# Allegro board ZDRK-36-DE3-A02-20190729.brd (continued)
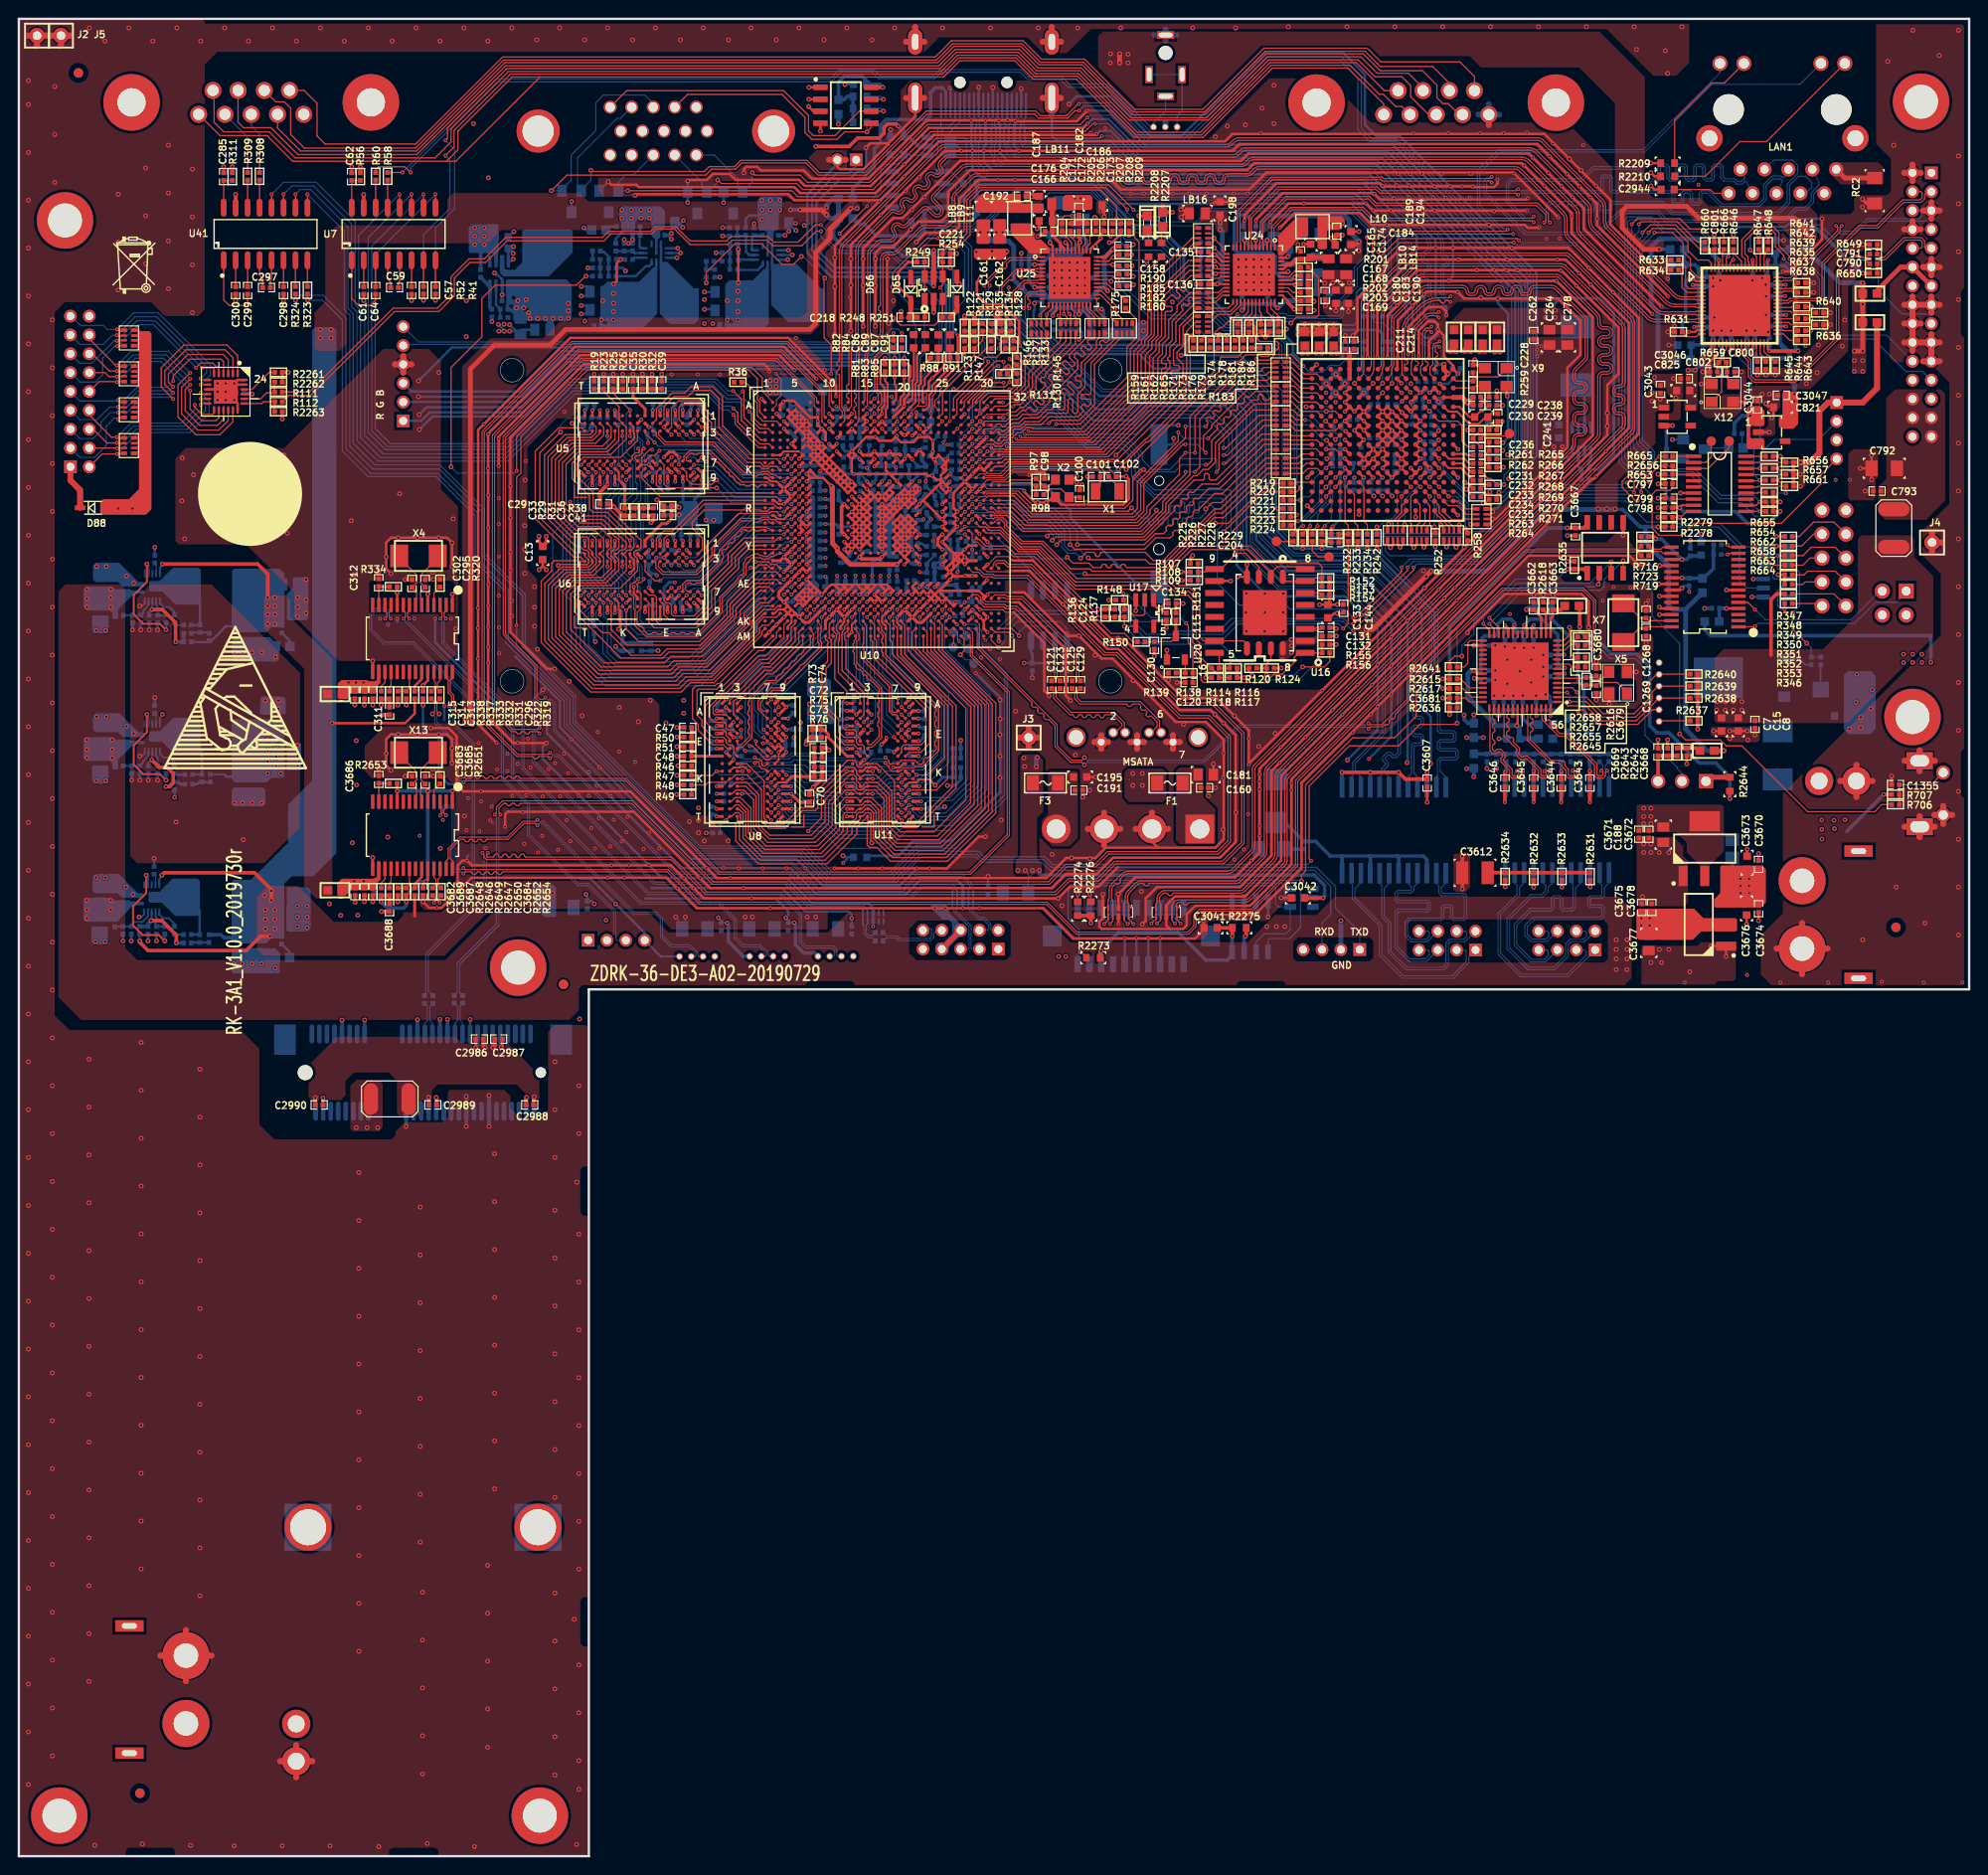
[diagram p0: board, top side]
## Nets (continued)
DDR1_DQS3_N: U10.AK14(DDR1_DQS3_N) U11.B7(U\D\Q\S\)
DDR1_DQS3_P: U10.AL14(DDR1_DQS3_P) U11.C7(UDQS)
DDR1_ODT: R46.2(B) R47.1(A) U8.K1(ODT) U10.AH25(DDR1_ODT) U11.K1(ODT)
DDR1_RAS_N: U8.J3(R\A\S\) U10.AK19(DDR1_RAS_N) U11.J3(R\A\S\)
DDR1_RESET_N: C473.1(A) R407.2(B) U8.T2(R\E\S\E\T\) U10.AJ25(DDR1_RESET_N) U11.T2(R\E\S\E\T\)
DDR1_WE_N: U8.L3(W\E\) U10.AG19(DDR1_WE_N) U11.L3(W\E\)
DDR1_ZQ: R395.1(A) U10.AF20(DDR1_ZQ)
DDR_VREF_CA_0: C33.1(A) C36.2(B) R29.1(A) R31.2(B) U5.M8(VREFCA)
DDR_VREF_CA_1: C498.2(B) C501.1(A) R409.2(B) R411.1(A) U6.M8(VREFCA)
DDR_VREF_CA_2: C72.2(B) C73.1(A) R75.2(B) R76.1(A) U8.M8(VREFCA)
DDR_VREF_CA_3: C352.2(B) C353.1(A) R384.2(B) R385.1(A) U11.M8(VREFCA)
DDR_VREF_DQ_0: C35.1(A) C39.2(B) R30.1(A) R32.2(B) U5.H1(VREFDQ)
DDR_VREF_DQ_1: C41.1(A) C491.2(B) R38.1(A) R408.2(B) U6.H1(VREFDQ)
DDR_VREF_DQ_2: C47.2(B) C48.1(A) R50.2(B) R51.1(A) U8.H1(VREFDQ)
DDR_VREF_DQ_3: C74.1(A) C440.2(B) R73.1(A) R403.2(B) U11.H1(VREFDQ)
EDP_BL_DIM: JE1.23(P23) U66.54(AUDCLK_BLDIM_GPIO2)
EDP_BL_EN: JE1.22(P22) U66.55(WS_BLEN_GPIO3)
EDP_D0+: JE1.7(P7) U66.48(B11_RX1P)
EDP_D0-: JE1.6(P6) U66.47(B10_RX1N)
EDP_D1+: JE1.4(P4) U66.42(A11_RX2P)
EDP_D1-: JE1.3(P3) U66.41(A10_RX2N)
EECLK: U1.26(EECLK) U1494.2(SK)
EECS: R2641.1 U1.29(EECS)
EECS_J: R2635.2 R2641.2 U1494.1(CS)
EEDI: U1.27(EEDI) U1494.4(DO)
EEDO: U1.28(EEDO) U1494.3(DI)
EPHY0_CLK: R161.1(A) R201.1(A)
EPHY0_RSTN: R173.1(A) R174.2(B)
EPHY1_CLK: R204.1(A) R207.1(A)
EPHY1_RSTN: R175.2(B) U10.F27(GPIO6_5/EPHY1_RSTN)
GE0_1V05_PHY: C184.1(A) C189.1(A) L10.2(B) LB6.1 LB7.1
GE0_1V05A_PHY: C142.1(A) C151.1(A) C157.1(A) C168.1(A) LB7.2 U24.3(AVDD10_1) U24.9(AVDD10_2) U24.40(AVDD10_3)
GE0_1V05D_PHY: C139.1(A) C155.1(A) C156.1(A) LB6.2 U24.28(DVDD10_1) U24.36(DVDD10_2)
GE0_3V3A_PHY: C146.1(A) C167.1(A) C194.1(A) LB14.2 U24.6(AVDD33_1) U24.41(AVDD33_2)
GE0_3V3D_PHY: C135.1(A) C136.1(A) C198.1(A) LB16.2 U24.15(DVDD33_1) U24.21(DVDD33_2)
GE0_AN0: R378.1(A) RN22.7 U24.17(RXD2/AN0)
GE0_AN1: R379.1(A) RN22.6 U24.18(RXD3/AN1)
GE0_ENSWREG: R203.2(B) U24.38(ENSWREG)
GE0_LED0_ACTIVE/PHY_AD0: J115.13(LED-_Y) R184.2(B) U24.34(LED0/PHY_AD0)
GE0_LED1_LINK/PHY_AD1: J115.11(LED+_G) R186.1(A) U24.35(LED1/PHY_AD1)
GE0_MDI0_N: J115.3(DA-) U24.2(MDIN0)
GE0_MDI0_P: J115.2(DA+) U24.1(MDIP0)
GE0_MDI1_N: J115.7(DB-) U24.5(MDIN1)
GE0_MDI1_P: J115.4(DB+) U24.4(MDIP1)
GE0_MDI2_N: J115.6(DC-) U24.8(MDIN2)
GE0_MDI2_P: J115.5(DC+) U24.7(MDIP2)
GE0_MDI3_N: J115.9(D3-) U24.11(MDIN3)
GE0_MDI3_P: J115.8(D3+) U24.10(MDIP3)
GE0_PHY_AD2: R375.1(A) RN21.6 U24.13(RXCTL/PHY_AD2)
GE0_RXDLY: R181.1(A) U24.32(LED2/RXDLY)
GE0_SELRGV: R376.1(A) RN21.5 U24.14(RXD0/SELRGV)
GE0_TXDLY: R377.1(A) RN22.8 U24.16(RXD1/TXDLY)
GE0_VDDREG: C165.1(A) C174.1(A) LB10.2 U24.44(VDDREG1) U24.45(VDDREG2)
GE1_1V05_PHY: C187.1(A) C192.1(A) L11.2(B) LB8.1 LB9.1
GE1_1V05A_PHY: C143.1(A) C152.1(A) C162.1(A) C172.1(A) LB9.2 U25.3(AVDD10_1) U25.9(AVDD10_2) U25.40(AVDD10_3)
GE1_1V05D_PHY: C140.1(A) C158.1(A) C161.1(A) LB8.2 U25.28(DVDD10_1) U25.36(DVDD10_2)
GE1_3V3A_PHY: C148.1(A) C171.1(A) C196.1(A) LB15.2 U25.6(AVDD33_1) U25.41(AVDD33_2)
GE1_3V3D_PHY: C137.1(A) C199.1(A) LB17.2 U25.15(DVDD33_1) U25.21(DVDD33_2)
GE1_AN0: R373.1(A) RN20.7 U25.17(RXD2/AN0)
GE1_AN1: R374.1(A) RN20.6 U25.18(RXD3/AN1)
GE1_ENSWREG: R206.2(B) U25.38(ENSWREG)
GE1_LED0_ACTIVE/PHY_AD0: R185.1(A) R2207.1 U25.34(LED0/PHY_AD0)
GE1_LED1_LINK/PHY_AD1: R190.2(B) R2208.1 U25.35(LED1/PHY_AD1)
GE1_MDI0_N: T3.3(P3) U25.2(MDIN0)
GE1_MDI0_P: T3.2(P2) U25.1(MDIP0)
GE1_MDI1_N: T3.6(P6) U25.5(MDIN1)
GE1_MDI1_P: T3.5(P5) U25.4(MDIP1)
GE1_MDI2_N: T3.9(P9) U25.8(MDIN2)
GE1_MDI2_P: T3.8(P8) U25.7(MDIP2)
GE1_MDI3_N: T3.12(P12) U25.11(MDIN3)
GE1_MDI3_P: T3.11(P11) U25.10(MDIP3)
GE1_PHY_AD2: R370.1(A) RN79.6 U25.13(RXCTL/PHY_AD2)
GE1_RXDLY: R182.1(A) U25.32(LED2/RXDLY)
GE1_SELRGV: R371.1(A) RN79.5 U25.14(RXD0/SELRGV)
GE1_TXDLY: R372.1(A) RN20.8 U25.16(RXD1/TXDLY)
GE1_VDDREG: C166.1(A) C176.1(A) LB11.2 U25.44(VDDREG1) U25.45(VDDREG2)
GPIO0_1: R706.2 U10.C1(VOU_SLV_DATA11/GPIO0_1)
GPIO0_2: U10.D2(VOU_SLV_DATA6/GPIO0_2)
GPIO0_3: U10.E3(VOU_SLV_DATA13/GPIO0_3)
GPIO8_4: TP9.1 U10.J28(GPIO8_4/MII0_CRS)
GPIO11_0: U10.C25(GPIO11_0/VOU1120_DATA16)
GPIO13_4: R660.1 U10.A28(GPIO13_4/VOU1120_DATA12)
GPIO13_5: R111.1 U10.A27(GPIO13_5/VOU1120_DATA13)
GPIO13_6: R112.1 U10.B27(GPIO13_6/VOU1120_DATA14)
GPIO13_7: R2656.1 U10.B26(GPIO13_7/VOU1120_DATA15)
HDMI_5V_DET: C218.1 D66.1(K) R248.2 R249.2 R2278.2 R2279.1 U1492.10(PA3)
HDMI_7842_5V: C2378.2 C3041.2 J49.18(P18) J130.14(7) J130.16(8) J130.18(9) LB143.1 LB144.1 R236.1 R241.1 R1119.1 R1120.1 R1121.1 R2211.2 R2273.1 R2274.1 R2275.1 R2276.1 U58.8(VDD) U107.8(VDD)
HDMI_7842_HPD: J49.19(P19) J130.20(10) R235.1 R2211.1 R2273.2 R2277.1 U75.4(IO_3)
HDMI_7842_TX0+: J49.7(P7) U32.B13(RXA_0+) U62.1(LINEIN1) U62.8(LINEOUT4)
HDMI_7842_TX0-: J49.9(P9) U32.A13(RXA_0-) U62.2(LINEIN2) U62.7(LINEOUT3)
HDMI_7842_TX1+: J49.4(P4) U32.B12(RXA_1+) U63.3(LINEIN3) U63.6(LINEOUT2)
HDMI_7842_TX1-: J49.6(P6) U32.A12(RXA_1-) U63.4(LINEIN4) U63.5(LINEOUT1)
HDMI_7842_TX2+: J49.1(P1) U32.B11(RXA_2+) U63.1(LINEIN1) U63.8(LINEOUT4)
HDMI_7842_TX2-: J49.3(P3) U32.A11(RXA_2-) U63.2(LINEIN2) U63.7(LINEOUT3)
HDMI_7842_TXC+: J49.10(P10) U32.B14(RXA_C+) U62.3(LINEIN3) U62.6(LINEOUT2)
HDMI_7842_TXC-: J49.12(P12) U32.A14(RXA_C-) U62.4(LINEIN4) U62.5(LINEOUT1)
HDMI_B_TX0+: J130.11(16) U32.B8(RXB_0+) U110.2(LINEIN2) U110.7(LINEOUT3)
HDMI_B_TX0-: J130.9(15) U32.A8(RXB_0-) U110.1(LINEIN1) U110.8(LINEOUT4)
HDMI_B_TX1+: J130.7(14) U32.B7(RXB_1+) U109.4(LINEIN4) U109.5(LINEOUT1)
HDMI_B_TX1-: J130.5(13) U32.A7(RXB_1-) U109.3(LINEIN3) U109.6(LINEOUT2)
HDMI_B_TX2+: J130.3(12) U32.B6(RXB_2+) U109.2(LINEIN2) U109.7(LINEOUT3)
HDMI_B_TX2-: J130.1(11) U32.A6(RXB_2-) U109.1(LINEIN1) U109.8(LINEOUT4)
HDMI_B_TXC+: J130.15(18) U32.B9(RXB_C+) U110.4(LINEIN4) U110.5(LINEOUT1)
HDMI_B_TXC-: J130.13(17) U32.A9(RXB_C-) U110.3(LINEIN3) U110.6(LINEOUT2)
HDMI_TX0N: U10.D13(HDMI_TX0N) U66.11(M1P_H0P)
HDMI_TX0P: U10.C13(HDMI_TX0P) U66.10(M1N_H0N)
HDMI_TX1N: U10.B12(HDMI_TX1N) U66.9(MCP_H1P)
HDMI_TX1P: U10.A12(HDMI_TX1P) U66.8(MCN_H1N)
HDMI_TX2N: U10.D11(HDMI_TX2N) U66.7(M2P_H2P)
HDMI_TX2P: U10.C11(HDMI_TX2P) U66.6(M2N_H2N)
HDMI_TXCN: U10.B14(HDMI_TXCN) U66.13(M0P_HCP)
HDMI_TXCP: U10.A14(HDMI_TXCP) U66.12(M0N_HCN)
HDMITX_CEC: R251.2 U10.D15(HDMITX_CEC/GPIO6_1) U33.3(IO_2)
HDMITX_HOTPLUG: C221.1 Q20.1(GATE) R254.1 R665.1 R666.1 R2562.2 U10.A15(HDMITX_HOTPLUG/GPIO6_0) U33.4(IO_3)
HDMITX_REXT: R398.2(B) R399.2(B) U10.E14(HDMITX_REXT)
HDMITX_SCL: R248.1 U10.C15(HDMITX_SCL/GPIO6_3) U33.1(IO_1) U66.59(SD2_DSCL)
HDMITX_SDA: R249.1 U10.B15(HDMITX_SDA/GPIO6_2) U33.6(IO_4) U66.60(SD1_DSDA)
HOT_PLUG_HDMI_B: U108.4(IO_3)
I2C_SCL: R130.2(B) R220.1 R221.1 U10.A29(GPIO5_7/I2C_SCL)
I2C_SDA: R131.2(B) R223.1 R224.1 U10.B28(GPIO5_6/I2C_SDA)
I2S0_SD_RX/I2S2_MCLK: RN75.5 U10.D28(GPIO12_0/VOU1120_DATA0)
IO1: J127.3(2) RN80.4 U103.1(IO0_0)
IO2: J127.5(3) RN80.3 U103.2(IO0_1)
IO3: J127.7(4) RN80.2 U103.3(IO0_2)
IO4: J127.9(5) RN80.1 U103.4(IO0_3)
IO5: J127.11(6) RN81.4 U103.5(IO0_4)
IO6: J127.13(7) RN81.3 U103.6(IO0_5)
IO7: J127.15(8) RN81.2 U103.7(IO0_6)
IO8: J127.17(9) RN81.1 U103.8(IO0_7)
IO9: J127.2(10) RN82.4 U103.10(IO1_0)
IO10: J127.4(11) RN82.3 U103.11(IO1_1)
IO11: J127.6(12) RN82.2 U103.12(IO1_2)
IO12: J127.8(13) RN82.1 U103.13(IO1_3)
IO13: J127.10(14) RN83.4 U103.14(IO1_4)
IO14: J127.12(15) RN83.3 U103.15(IO1_5)
IO15: J127.14(16) RN83.2 U103.16(IO1_6)
IO16: J127.16(17) RN83.1 U103.17(IO1_7)
IR_IN: U10.AJ27(GPIO14_7/IR_IN)
JTAG_EN: R391.1(A) R392.2(B) U10.AK25(JTAG_EN)
JTAG_SEL: R390.2(B) U10.AJ26(JTAG_SEL)
JTAG_TCK: TP63.1(TP) U10.AL26(JTAG_TCK/GPIO14_1)
JTAG_TDI: TP66.1(TP) U10.AL27(JTAG_TDI/GPIO14_4)
JTAG_TDO: TP65.1(TP) U10.AL25(JTAG_TDO/GPIO14_3)
JTAG_TMS: TP64.1(TP) U10.AM26(JTAG_TMS/GPIO14_2)
JTAG_TRSTN: TP62.1(TP) U10.AM27(JTAG_TRSTN/GPIO14_0)
KEY_FACTORY: R36.2(B)
KEY_POWER: R27.2 R28.2 R349.2
KEY_RESET: R148.1(A) R350.2 U45.3(IO_2)
LED_SATA: R346.2 U45.1(IO_1) U46.4(Y)
LSADC_IN: TP8.1 U10.AJ28(LSADC_IN/GPIO11_4)
LT9721_IRQO: R662.2 U66.23(IRQO_GPIO0) U1492.16(PC6)
LT9721_RST_N: C801.1 R660.2 R661.2 U66.63(RST_N) U1492.15(PC5)
LT9721_RXHPD: R666.2 U66.61(SD0_RXHPD_GPIO7)
LT9721_S_SCL: R663.2 U66.1(S_SCL) U1492.12(PB4/I2C_SCL)
LT9721_S_SDA: R664.2 U66.64(S_SDA) U1492.11(PB5/I2C_SDA)
LT9721_TXHPD: JE1.17(P17) U66.52(TXHPD_GPIO1)
LT9721_VCC18_RX: C811.1 C812.1 C813.1 C814.1 C815.1 C3045.1 LB130.2 U66.3(VCC18_RX#3) U66.14(VCC18_RX#14) U66.17(VCC18_RX#17)
LT9721_VCC18_TX: C816.1 C817.1 C818.1 C819.1 C820.1 C821.1 C822.1 C3047.1 U66.28(VCC18_TX#28) U66.35(VCC18_TX#35) U66.38(VCC18_TX#38) U66.43(VCC18_TX#43) U66.46(VCC18_TX#46) U1490.5(VOUT)
LT9721_VCC33_RX: C803.1 C804.1 C805.1 C806.1 LB128.2 U66.2(VCC33_RX#2) U66.15(VCC33_RX#15)
LT9721_VCC33_TX: C807.1 C808.1 C809.1 C810.1 LB127.2 R650.2 U66.32(VCC33_TX#32) U66.49(VCC33_TX#49)
LT9721_VDD18: C823.1 C824.1 C825.1 C826.1 C827.1 C3046.1 LB130.1 U66.22(VDD#22) U66.53(VDD#53) U66.62(VDD#62) U1489.5(VOUT)
MCU_NRST: C797.1 J116.4 R653.2 R2656.2 U1492.4(NRST)
MCU_RXHPD: R665.2 U1492.1(PD4)
MDCK: R176.1 U24.30(MDC) U25.30(MDC)
MDIO: R178.2(B) R180.2(B) U10.K27(GPIO11_7/MDIO) U24.31(MDIO) U25.31(MDIO)
MSATA_RXDN: C106.1 U13.31(PETN0)
MSATA_RXDP: C105.1 U13.33(PETP0)
MSATA_TXDN: C103.1 U13.25(PERP0)
MSATA_TXDP: C104.1 U13.23(PERN0)
MX1+: J131.1 T3.23(P23)
MX1-: J131.3(2) T3.22(P22)
MX2+: J131.2(8) T3.20(P20)
MX2-: J131.4(7) T3.19(P19)
MX3+: J131.5(3) T3.17(P17)
MX3-: J131.7(4) T3.16(P16)
MX4+: J131.6 T3.14(P14)
MX4-: J131.8(5) T3.13(P13)
NRESET/PME_CLEAR: C3681.2 R2636.1 U1.42(NRESET/PME_CLEAR)
NTRST: J6.1 R2637.1
PCIE_REFCLK_SEL: R121.2(B) R122.1(A) R123.1(A) U10.D24(GPIO13_3/VOU1120_DATA11)
POR_BYPASS: R382.2(B) R383.1(A) U10.W28(POR_BYPASS)
POR_IP_SEL: R110.2(B) R113.2(B) U10.U27(POR_IP_SEL)
PWM_SVB0_CPU: R55.2(B) U10.A2(PWM_SVB0/GPIO1_2)
PWM_SVB1_CORE: R78.2(B) U10.B2(PWM_SVB1/GPIO1_3)
RECOVERY: C1355.1 R706.1 R707.2 SW1.2
RESET_7842_1: C204.1 R229.2 R232.2 U32.N5(R\E\S\E\T\)
RGMII0_COL: TP7.1 U10.H29(GPIO8_5/MII0_COL)
RGMII0_RXCK: RN22.4 U10.G30(GPIO8_1/RGMII0_RXCK/MII0_RXCK)
RGMII0_RXD0: RN21.4 U10.G27(GPIO9_0/RGMII0_RXD0/MII0_RXD0)
RGMII0_RXD1: RN22.1 U10.G28(GPIO9_1/RGMII0_RXD1/MII0_RXD1)
RGMII0_RXD2: RN22.2 U10.H27(GPIO9_2/RGMII0_RXD2/MII0_RXD2)
RGMII0_RXD3: RN22.3 U10.H28(GPIO9_3/RGMII0_RXD3/MII0_RXD3)
RGMII0_RXDV: RN21.3 U10.F29(GPIO8_0/RGMII0_RXDV/MII0_RXDV)
RGMII0_RXER: TP5.1 U10.H30(GPIO8_6/MII0_RXER)
RGMII0_TXCKOUT: RN13.1 U10.J29(GPIO8_3/RGMII0_TXCKOUT/MII0_TXC)
RGMII0_TXD0: RN13.2 U10.G31(GPIO9_4/RGMII0_TXD0/MII0_TXD0)
RGMII0_TXD1: RN13.3 U10.H31(GPIO9_5/RGMII0_TXD1/MII0_TXD1)
RGMII0_TXD2: RN13.4 U10.H32(GPIO9_6/RGMII0_TXD2/MII0_TXD2)
RGMII0_TXD3: RN14.1 U10.J30(GPIO9_7/RGMII0_TXD3/MII0_TXD3)
RGMII0_TXEN: RN14.2 U10.K28(GPIO8_2/RGMII0_TXEN/MII0_TXEN)
RGMII1_COL: TP4.1 U10.D29(GPIO2_5/MII1_COL)
RGMII1_CRS: TP3.1 U10.C32(GPIO2_4/MII1_CRS)
RGMII1_RXCK: RN20.4 U10.B32(GPIO2_1/RGMII1_RXCK/MII1_RXCK)
RGMII1_RXD0: RN79.4 U10.A30(GPIO3_0/RGMII1_RXD0/MII1_RXD0)
RGMII1_RXD1: RN20.1 U10.A31(GPIO3_1/RGMII1_RXD1/MII1_RXD1)
RGMII1_RXD2: RN20.2 U10.B31(GPIO3_2/RGMII1_RXD2/MII1_RXD2)
RGMII1_RXD3: RN20.3 U10.C30(GPIO3_3/RGMII1_RXD3/MII1_RXD3)
RGMII1_RXDV: RN79.3 U10.B29(GPIO2_0/RGMII1_RXDV/MII1_RXDV)
RGMII1_RXER: TP2.1 U10.C29(GPIO2_6/MII1_RXER)
RGMII1_TXCKOUT: RN17.1 U10.D30(GPIO2_3/RGMII1_TXCKOUT/MII1_TXC)
RGMII1_TXD0: RN17.2 U10.E30(GPIO3_4/RGMII1_TXD0/MII1_TXD0)
RGMII1_TXD1: RN17.3 U10.E31(GPIO3_5/RGMII1_TXD1/MII1_TXD1)
RGMII1_TXD2: RN17.4 U10.E32(GPIO3_6/RGMII1_TXD2/MII1_TXD2)
RGMII1_TXD3: RN18.1 U10.F32(GPIO3_7/RGMII1_TXD3/MII1_TXD3)
RGMII1_TXEN: RN18.2 U10.E28(GPIO2_2/RGMII1_TXEN/MII1_TXEN)
RS232_RXA: J111.2 J123.3 R58.2
RS232_RXB: J22.3 R41.2
RS232_RXC: J23.3 R308.2
RS232_RXD: JU5.3 R323.2
RS232_TXA: J111.1 J111.3 J123.1 R60.2
RS232_TXB: J22.2 R52.2
RS232_TXC: J23.2 R309.2
RS232_TXD: JU5.1 R324.2
RTC_XIN: C102.2(B) U10.L29(RTC_XIN) X1.1
RTC_XOUT: C101.2(B) U10.L30(RTC_XOUT) X1.2
SATA_PCIE_MODE0: R388.1(A) R389.2(B) U10.E29(GPIO2_7/MII1_TXER)
SATA_PCIE_MODE1: R207.2(B) R208.1(A) R209.2(B) U10.F31(GPIO11_5/EPHY1_CLK)
SATA_RXM0: C125.2 U10.AG32(SATA_RXM0)
SATA_RXM1: U10.AE32(SATA_RXM1)
SATA_RXM2: C103.2 U10.AC32(SATA_RXM2/PCIEX2_RXM1)
SATA_RXP0: C129.2 U10.AG31(SATA_RXP0)
SATA_RXP1: U10.AE31(SATA_RXP1)
SATA_RXP2: C104.2 U10.AC31(SATA_RXP2/PCIEX2_RXP1)
SATA_TXM0: C123.2 U10.AG28(SATA_TXM0)
SATA_TXM1: U10.AE28(SATA_TXM1)
SATA_TXM2: C106.2 U10.AC28(SATA_TXM2/PCIEX2_TXM1)
SATA_TXP0: C121.2 U10.AG29(SATA_TXP0)
SATA_TXP1: U10.AE29(SATA_TXP1)
SATA_TXP2: C105.2 U10.AC29(SATA_TXP2/PCIEX2_TXP1)
SFC_BOOT_MODE: R114.1(A) R117.2(B) R118.1(A) U10.U29(SFC_BOOT_MODE/SFC_CLK)
SFC_CLK: R114.2(B) R116.2(B) U16.16(SCLK) U18.6(SCK)
SFC_CS0N: U10.U32(GPIO15_4/SFC_CS0N)
SFC_CS1N: R152.2(B) R153.2(B) U10.T30(GPIO15_5/SFC_CS1N) U16.7(C\S\) U18.1(CS)
SFC_DIO: U10.U30(GPIO15_0/SFC_DIO) U16.15(SI/SIO0) U18.5(SI)
SFC_DOI: U10.V27(GPIO15_1/SFC_DOI) U16.8(SO/SIO1) U18.2(SO)
SFC_HOLD_IO3: R155.2(B) R156.2(B) U10.V30(GPIO15_3/SFC_HOLD_IO3) U16.1(HOLD~/SIO3)
SFC_WP_IO2: R107.1(A) R108.1(A) R109.2(B) U10.U31(GPIO15_2/SFC_WP_IO2) U16.9(WP~/SIO2) U18.3(W\P\)
SN_BOOT_PIN0: R129.2(B) R135.2(B) R147.1(A) U10.B24(GPIO12_2/VOU1120_DATA2)
SN_BOOT_PIN1: R127.2(B) R133.2(B) R145.1(A) U10.D25(GPIO13_0/VOU1120_DATA8)
SN_BOOT_PIN2: R128.2(B) R134.2(B) R146.1(A) U10.C24(GPIO12_3/VOU1120_DATA3)
SW_MODE: R2645.1 U1.9(SW_MODE)
SW_MODE_R: R2645.2 R2655.2
SWIM: J116.2 R654.2 U1492.18(PD1/SWIM)
SYS_RSTN: C124.1(A) C131.1(A) R120.2(B) R136.1(A) R137.2(B) U10.W29(RSTN) U16.3(R\E\S\E\T\) U17.4(Y)
TCK: J6.5 R2640.1 U1.2(TCK)
TDI: J6.3 R2638.1 U1.1(TDI)
TDO: J6.2 U1.4(TDO)
TEST: R2615.2 U1.39(TEST)
TMS: J6.4 R2639.1 U1.3(TMS)
TR0N: R2620.1 T1.3(P3) U1.43(TR0N)
TR0P: R2619.1 T1.2(P2) U1.44(TR0P)
TR1N: R2622.1 T1.6(P6) U1.46(TR1N)
TR1P: R2621.1 T1.5(P5) U1.47(TR1P)
TR2N: R2624.1 T1.9(P9) U1.51(TR2N)
TR2P: R2623.1 T1.8(P8) U1.52(TR2P)
TR3N: R2626.1 T1.12(P12) U1.54(TR3N)
TR3P: R2625.1 T1.11(P11) U1.55(TR3P)
TX1+: J133.1 T1.23(P23)
TX1-: J133.3(2) T1.22(P22)
TX2+: J133.2(8) T1.20(P20)
TX2-: J133.4(7) T1.19(P19)
TX3+: J133.5(3) T1.17(P17)
TX3-: J133.7(4) T1.16(P16)
TX4+: J133.6 T1.14(P14)
TX4-: J133.8(5) T1.13(P13)
UART0_RXD: U7.12(R1OUT) U10.E2(VOU_SLV_DATA4/GPIO1_0)
UART0_TXD: U7.11(T1IN) U10.D1(VOU_SLV_DATA5/GPIO1_1)
UART1_RXD: U7.9(R2OUT) U10.F1(VOU_SLV_DATA1/GPIO7_0)
UART1_TXD: U7.10(T2IN) U10.E1(VOU_SLV_DATA3/GPIO7_1)
UART2_RXD: U10.G2(VOU_SLV_CLK/GPIO7_4) U41.12(R1OUT)
UART2_TXD: U10.G1(VOU_SLV_DATA0/GPIO7_5) U41.11(T1IN)
UART3_RXD: U10.AK27(GPIO7_6/UART3_RXD) U41.9(R2OUT)
UART3_TXD: U10.AK26(GPIO7_7/UART3_TXD) U41.10(T2IN)
UART_RX_BD: J124.2 U44.5(RXD)
UART_TX_BD: J124.1 U44.1(TXD)
UPDATE_FROM_USB: R165.2(B) R171.1(A) R173.2(B) U10.K31(GPIO6_4/EPHY0_RSTN)
USART1_RX: TP69.1(TP) U1492.3(RXD/PD6)
USART1_TX: TP68.1(TP) U1492.2(TXD/PD5)
USB2_DM0: R322.1 U10.AL28(USB2_DM0)
USB2_DM1: R2657.1 U10.AK29(USB2_DM1)
USB2_DP0: R319.1 U10.AM28(USB2_DP0)
USB2_DP1: R2658.1 U10.AL29(USB2_DP1)
USB2_OVRCUR0: U10.AM30(GPIO5_0/USB2_OVRCUR0) U46.2(A)
USB2_OVRCUR1: R95.2(B) U10.AL31(GPIO5_2/USB2_OVRCUR1) U12.5(SDA)
USB2_PWREN0: R232.1 U10.AM31(GPIO5_1/USB2_PWREN0)
USB2_PWREN1: R96.2(B) U10.AL32(GPIO5_3/USB2_PWREN1) U12.6(SCL)
USB2_REXT: R380.1(A) R381.1(A) U10.AH27(USB2_REXT)
USB3_DM: J128.3(7) U10.B10(USB3_DM) U105.2(LINEIN2) U105.7(LINEOUT3)
USB3_DP: J128.5(8) U10.A10(USB3_DP) U105.1(LINEIN1) U105.8(LINEOUT4)
USB3_REXT: R401.1(A) R402.1(A) U10.E10(USB3_REXT)
USB3_RXM: J128.2(1) U10.B8(USB3_RXM) U105.4(LINEIN4) U105.5(LINEOUT1)
USB3_RXP: J128.4(2) U10.A8(USB3_RXP) U105.3(LINEIN3) U105.6(LINEOUT2)
USB3_TX+: C2807.1 J128.10(5)
USB3_TX-: C2808.1 J128.8(4)
USB3_TXM: C2808.2 U10.D9(USB3_TXM) U106.1(LINEIN1) U106.8(LINEOUT4)
USB3_TXP: C2807.2 U10.C9(USB3_TXP) U106.2(LINEIN2) U106.7(LINEOUT3)
USB_EX1_DM: R2652.1 U43.27(DM1)
USB_EX1_DM1: JU1.2 U1496.27(DM1)
USB_EX1_DP: R2654.1 U43.28(DP1)
USB_EX1_DP1: JU1.3 U1496.28(DP1)
USB_EX2_DM: JU3.2 U43.2(DM2)
USB_EX2_DP: JU3.3 U43.3(DP2)
USB_EX3_DM: JU4.2 U43.8(DM3)
USB_EX3_DM1: R719.2 U1496.2(DM2)
USB_EX3_DP: JU4.3 U43.9(DP3)
USB_EX3_DP1: R716.2 R723.2 U1496.3(DP2)
USB_EX4_DM: JU2.2 U43.11(DM4)
USB_EX4_DP: JU2.3 U43.12(DP4)
VAVDD_1.8VA: C320.1 C321.1 C322.1 C323.1 C324.1 C325.1 LB24.2 U32.F12(AVDD#F12) U32.G12(AVDD#G12) U32.H12(AVDD#H12) U32.J12(AVDD#J12) U32.K12(AVDD#K12) U32.L12(AVDD#L12)
VCVDD_1.8VA: C319.1 C326.1 C327.1 C328.1 C329.1 C330.1 LB23.2 U32.C12(CVDD#C12) U32.C13(CVDD#C13) U32.C14(CVDD#C14) U32.D12(CVDD#D12) U32.E11(CVDD#E11) U32.E12(CVDD#E12)
VDAC_REXT: R397.2(B) U10.E17(VDAC_REXT)
VDVDD_1.8VA: C331.1 C332.1 C333.1 C334.1 C335.1 C338.1 C340.1 C342.1 C343.1 LB22.2 U32.J7(VDD#J7) U32.K6(VDD#K6) U32.K7(VDD#K7) U32.K8(VDD#K8) U32.K9(VDD#K9) U32.L6(VDD#L6) U32.L7(VDD#L7) U32.L8(VDD#L8) U32.L9(VDD#L9)
VDVDDIO_3.3VA: C345.1 C346.1 C347.1 C348.1 C349.1 LB19.2 R229.1 R243.1 R247.1 U32.F5(DVDDIO#F5) U32.G5(DVDDIO#G5) U32.H5(DVDDIO#H5) U32.J5(DVDDIO#J5) U32.K5(DVDDIO#K5) U32.L5(DVDDIO#L5) U32.M5(DVDDIO#M5)
VGA1_IN_B: CN3.3 D24.2(C2) R267.1
VGA1_IN_G: C234.1 CN3.2 D25.2(C2) R270.1
VGA1_IN_HS: CN3.13 D23.1(C1) R271.2
VGA1_IN_R: CN3.1 D26.2(C2) R268.1
VGA1_IN_VS: CN3.14 D23.2(C2) R264.2
VGA1_SYNC1: C234.2 U32.L16(SYNC1)
VGA_B: J136.3 R85.1(A) U10.B18(VGA_B)
VGA_G: J136.2 R83.1(A) U10.A18(VGA_G)
VGA_HS: J136.5 R82.1(A)
VGA_R: J136.1 R81.1(A) U10.C17(VGA_R)
VGA_VS: J136.6 R84.1(A)
VI_CLK: R219.2 U10.R30(GPIO10_1/VI_CLK/NF_DQ1)
VI_D0: RN19.5 U10.T31(GPIO10_0/VI_DATA0/NF_DQ0)
VI_D1: RN19.6 U10.R32(GPIO10_2/VI_DATA1/NF_DQ2)
VI_D2: RN19.7 U10.R31(GPIO10_3/VI_DATA2/NF_DQ3)
VI_D3: RN19.8 U10.P32(GPIO10_4/VI_DATA3/NF_DQ4)
VI_D4: RN77.5 U10.P31(GPIO10_5/VI_DATA4/NF_DQ5)
VI_D5: RN77.6 U10.P30(GPIO10_6/VI_DATA5/NF_DQ6)
VI_D6: RN77.7 U10.N30(GPIO10_7/VI_DATA6/NF_DQ7)
VI_D7: RN77.8 U10.T28(GPIO4_4/VI_DATA7/NF_RDY0)
VI_D8: RN78.5 U10.T27(GPIO4_5/VI_DATA8/NF_RDY1)
VI_D9: RN78.6 U10.R28(GPIO1_4/VI_DATA9/NF_REN)
VI_D10: RN78.7 U10.P27(GPIO1_5/VI_DATA10/NF_WEN)
VI_D11: RN78.8 U10.P28(GPIO1_7/VI_DATA11/NF_ALE)
VI_D12: RN76.5 U10.P29(GPIO1_6/VI_DATA12/NF_CLE)
VI_D13: RN76.6 U10.R29(GPIO4_6/VI_DATA13/NF_CSN0)
VI_D14: RN76.7 U10.R27(GPIO4_7/VI_DATA14/NF_CSN1)
VI_D15: RN76.8 U10.U28(VI_DATA15/GPIO0_5)
VOU1120_DATA5/I2S0_WS_RX: RN75.6 U10.E26(GPIO12_5/VOU1120_DATA5)
VOU1120_DATA6/I2S0_BCLK_RX: RN75.7 U10.C26(GPIO12_6/VOU1120_DATA6)
VOU1120_DATA8/I2S0_MCLK: R145.2(B) RN75.8
VPVDD_1.8VA: C229.1 C230.1 LB25.2 U32.D15(PVDD#D15) U32.D16(PVDD#D16)
VSRAM_3.3V: C336.1 C337.1 C339.1 C341.1 C344.1 LB18.2 U32.M6(VDD_SDRAM#M6) U32.M7(VDD_SDRAM#M7) U32.M8(VDD_SDRAM#M8) U32.M9(VDD_SDRAM#M9) U32.M10(VDD_SDRAM#M10)
VTVDD_3.3VA: C211.1 C214.1 C220.1 C222.1 LB20.2 U32.A5(TVDD#A5) U32.A15(TVDD#A15) U32.B5(TVDD#B5) U32.B15(TVDD#B15)
WDG_RSTN: R150.1(A) U10.V28(SYS_RSTN_OUT/WDG_RSTN)
X7842_1_XTI: C228.2 R259.1 U32.B16(XTALP) X9.1
X7842_1_XTO: C238.2 R259.2 U32.C16(XTALN) X9.3
XIN: C98.2(B) R97.1(A) U10.M31(XIN) X2.1
XOUT: R97.2(B) R98.2(B) U10.M32(XOUT)
XTALI_LT9721: C802.2 R659.1 U66.20(XTALI) X12.1
XTALO_LT9721: C800.2 R659.2 U66.21(XTALO) X12.3
N72531: C37.1(A) R37.1(A) R40.2(B) U4.5(EN)
N72551: C66.1(A) R65.2(B) R68.1(A) U9.5(EN)
N72571: C65.1(A) U9.4(RAMP)
N72627: C71.1(A) R77.2(B) R78.1(A)
N72639: R71.2(B) R77.1(A)
N72643: C53.1(A) R54.2(B) R55.1(A)
N72655: R53.2(B) R54.1(A)
N72679: C40.1(A) U4.4(RAMP)
N72683: R57.2(B) R59.1(A) U9.6(MODE/VCON)
N72695: R33.2(B) R34.1(A) U4.6(MODE/VCON)
N72707: L5.1 U9.1(SW1) U9.9(SW2)
N72727: L4.1 U4.1(SW1) U4.9(SW2)
N72799: R67.1(A) U9.3(FB)
N72803: R44.1(A) U4.3(FB)
N78504: C14.1(A) R2.2(B) R4.1(A) U2.13(EN)
N78524: R8.1(A) R17.2(B) R21.2(B) U2.12(FB)
N78664: C31.1(A) R21.1(A) R24.2(B)
N78676: R14.1(A) U2.4(PG)
N78684: C18.1(A) R14.2(B) U2.11(VCC)
N78696: C27.1(A) R16.2(B)
N78700: R16.1(A) U2.10(BST)
N78704: C27.2(B) L2.1(A) R24.1(A) U2.8(SW1) U2.9(SW2) U2.15(SW3) U2.16(SW4)
N78756: R11.1(A) U2.6(MODE)
N108668: R412.2(B) U5.L8(ZQ)
N108954: R413.2(B) U6.L8(ZQ)
N117091: R400.2(B) U11.L8(ZQ)
N117481: R406.2(B) U8.L8(ZQ)
N120940: C100.2(B) R98.1(A) X2.3
N121250: C120.1(A) R137.1(A) R138.2(B) R148.2(B) U17.2(A)
N121664: R138.1(A) R139.1(A) U20.2(R\E\S\E\T\)
N121704: C130.1(A) R150.2(B) R151.2(B) U20.3(VCC)
N369871: R120.1(A) R124.2(B) R156.1(A) U18.7(H\O\L\D\)
N370229: R154.2(B) U16.6(NC3)
N784580: C3.1 F8.2 JU1.1
N791895: R82.2(B) U10.A16(VGA_HS/GPIO15_6)
N791899: R84.2(B) U10.B16(VGA_VS/GPIO15_7)
N1265409: C91.1(A) R91.1 U10.B22(AC0_LINEOUT_R)
N1265415: C87.1(A) R88.1 U10.A22(AC0_LINEOUT_L)
N1265629: C86.1(A) U10.A20(AC0_LINEIN_R)
N1265735: R394.1 U10.D20(AC0_MICL)
N1265739: R393.1 U10.C21(AC0_MICR)
N1265743: C89.1(A) U10.B20(AC0_LINEIN_L)
N1293779: R174.1(A) U24.29(PHYRSTB)
N1294077: R202.1(A) U24.39(RSET)
N1294165: L10.1(A) U24.48(REG_OUT)
N1294187: RN22.5 U24.19(RXC)
N1294199: R201.2(B) U24.42(CKXTAL1)
N1300229: R204.2(B) U25.42(CKXTAL1)
N1300447: L11.1(A) U25.48(REG_OUT)
N1300451: R205.1(A) U25.39(RSET)
N1300455: R175.1(A) U25.29(PHYRSTB)
N9652119: D71.A R39.2
N17888369: R52.1 U7.7(T2OUT)
N17888371: R41.1 U7.8(R2IN)
N17888401: C59.1 U7.5(C2-)
N17888407: C64.1 U7.3(C1-)
N17888413: C64.2 U7.1(C1+)
N17888415: C59.2 U7.4(C2+)
N17888417: C62.1 R56.2 U7.16(VCC)
N17888423: C61.1 U7.2(V+)
N17888425: C57.1 U7.6(V-)
N17888427: R58.1 U7.13(R1IN)
N17888429: R60.1 U7.14(T1OUT)
N17942185: L1.1(A) U3.3(SW)
N17942187: R12.1(A) R13.1(A) U3.7(FB)
N17942295: C26.1(A) R20.2(B) U3.8(EN)
N17948494: D87.A R45.2
N17955762: F5.1 J94.1 J125.1 J126.1 J134.1
N17955776: C30.1(A) D2.2(B) F5.2 Q2.3(S) R27.1
N17994299: RN13.7 U24.23(TXD0)
N17994300: RN13.6 U24.24(TXD1)
N17994301: RN13.5 U24.25(TXD2)
N17994302: RN14.8 U24.26(TXD3)
N17994437: RN13.8 U24.22(TXCLK)
N17994468: RN14.7 U24.27(TXCTL)
N17995041: RN17.7 U25.23(TXD0)
N17995044: RN17.6 U25.24(TXD1)
N17995047: RN17.5 U25.25(TXD2)
N17995050: RN18.8 U25.26(TXD3)
N17995116: RN18.7 U25.27(TXCTL)
N17995130: RN17.8 U25.22(TXCLK)
N17995805: RN20.5 U25.19(RXC)
N18010653: C285.1 R311.2 U41.16(VCC)
N18010677: R324.1 U41.7(T2OUT)
N18010679: R323.1 U41.8(R2IN)
N18010709: C297.1 U41.5(C2-)
N18010715: C299.1 U41.3(C1-)
N18010721: C299.2 U41.1(C1+)
N18010723: C297.2 U41.4(C2+)
N18010727: C300.1 U41.2(V+)
N18010729: C298.1 U41.6(V-)
N18010731: R308.1 U41.13(R1IN)
N18010733: R309.1 U41.14(T1OUT)
N18040890: R243.2 R246.2 U32.C10(P\W\R\D\N\1\)
N18040896: R246.1 TP46.1(TP)
N18040898: R227.1 TP47.1(TP)
N18040900: R225.1 TP48.1(TP)
N18040904: R222.2 R223.2 U32.G3(TTX_SDA)
N18040906: R220.2 U32.F4(TTX_SCL)
N18040962: R244.2 R247.2 U32.C11(P\W\R\D\N\2\)
N18041076: RN75.3 U32.H4(AP5)
N18041088: RN75.4 U32.K4(AP1)
N18041450: R252.1 U32.P13(SDRAM_VREF)
N18041699: R242.1 U32.N11(SDRAM_LDQS)
N18041701: R258.1 U32.P15(SDRAM_UDQS)
N18041729: R219.1 U32.N1(LLC/VCLK)
N18041731: TP24.1(TP) U32.B4(SYNC_OUT)
N18041733: TP25.1(TP) U32.D6(CEC)
N18041735: R271.1 U32.L14(HS_IN1/TRI5)
N18041737: R264.1 U32.K14(VS_IN1/TRI6)
N18041783: R237.2 U32.D8(DDCB_SCL)
N18041805: C231.1 R261.1 R262.2
N18041807: C231.2 U32.F14(AIN11)
N18041868: R265.2 TP31.1(TP) U32.D13(VGA_SCL)
N18042583: TP27.1(TP) U32.C3(VS/FIELD)
N18042585: TP29.1(TP) U32.C4(HS/CS)
N18042593: TP30.1(TP) U32.D4(FIELD/DE)
N18042595: TP26.1(TP) U32.L13(AOUT)
N18042600: R241.2 U32.C9(RXA_5V)
N18042602: R235.2 U32.C7(HPA_A)
N18042624: R236.2 U32.C8(RXB_5V)
N18042630: TP32.1(TP) U32.D14(VGA_SDA)
N18042636: RN75.2 U32.J3(SCLK)
N18042638: RN77.4 U32.D2(P8)
N18042640: RN77.3 U32.D1(P9)
N18042642: RN77.2 U32.E2(P10)
N18042644: RN77.1 U32.F2(P11)
N18042646: RN19.4 U32.B2(P4)
N18042648: RN19.3 U32.B1(P5)
N18042650: RN19.2 U32.C2(P6)
N18042652: RN19.1 U32.C1(P7)
N18042654: RN76.4 U32.K1(P20)
N18042656: RN76.3 U32.L2(P21)
N18042658: RN76.2 U32.L1(P22)
N18042662: RN76.1 U32.M2(P23)
N18042664: RN78.4 U32.H1(P16)
N18042666: RN78.3 U32.J2(P17)
N18042668: RN78.2 U32.J1(P18)
N18042670: RN78.1 U32.K2(P19)
N18042674: C235.1 R263.1 R270.2
N18042676: C233.1 R268.2 R269.1
N18042678: C232.1 R266.1 R267.2
N18042680: C232.2 U32.K16(AIN3)
N18042682: C233.2 U32.K15(AIN2)
N18042684: C235.2 U32.L15(AIN1)
N18043041: R225.2 U32.N3(INT2)
N18043043: R227.2 U32.M4(INT1)
N18043282: R233.2 U32.P5(TEST7)
N18043284: R234.2 U32.N6(TEST6)
N18043286: R228.2 U32.N4(TEST4)
N18043288: R226.2 U32.P3(TEST5)
N18043541: R224.2 U32.M3(SDA)
N18043543: R221.2 U32.L3(SCL)
N18043587: RN12.4 U32.N13(SDRAM_DQ15)
N18043589: RN12.3 U32.T14(SDRAM_DQ14)
N18043591: RN12.2 U32.R14(SDRAM_DQ13)
N18043593: RN12.1 U32.P14(SDRAM_DQ12)
N18043595: R238.2 U32.D11(RTERM)
N18043599: RN10.4 U32.P11(SDRAM_DQ7)
N18043601: RN10.3 U32.R11(SDRAM_DQ6)
N18043603: RN10.2 U32.T11(SDRAM_DQ5)
N18043605: RN10.1 U32.N12(SDRAM_DQ4)
N18043607: RN9.4 U32.P12(SDRAM_DQ3)
N18043609: RN9.3 U32.R12(SDRAM_DQ2)
N18043611: RN9.2 U32.T13(SDRAM_DQ1)
N18043613: RN9.1 U32.R13(SDRAM_DQ0)
N18043626: RN11.4 U32.N14(SDRAM_DQ11)
N18043628: RN11.3 U32.T15(SDRAM_DQ10)
N18043630: RN11.2 U32.R15(SDRAM_DQ9)
N18043632: RN11.1 U32.R16(SDRAM_DQ8)
N18043702: C236.1 C241.2 U32.E15(REFP)
N18043704: C236.2 C239.2 U32.E16(REFN)
N18043752: RN75.1 U32.G4(MCLK)
N18122516: C296.1 C311.1 C313.1 C314.1 C315.1 LB31.1 R332.2 R334.1 R337.1 R338.1 U43.1(AVDD1) U43.5(AVDD2) U43.10(AVDD3) U43.16(DVDD) U43.24(V33)
N18122529: R320.1 U43.4(RREF)
N18122553: C312.1 R334.2 U43.13(RESET#)
N18122565: R322.2 U43.25(DM0)
